# Allegro board PROC048A_BRD.brd
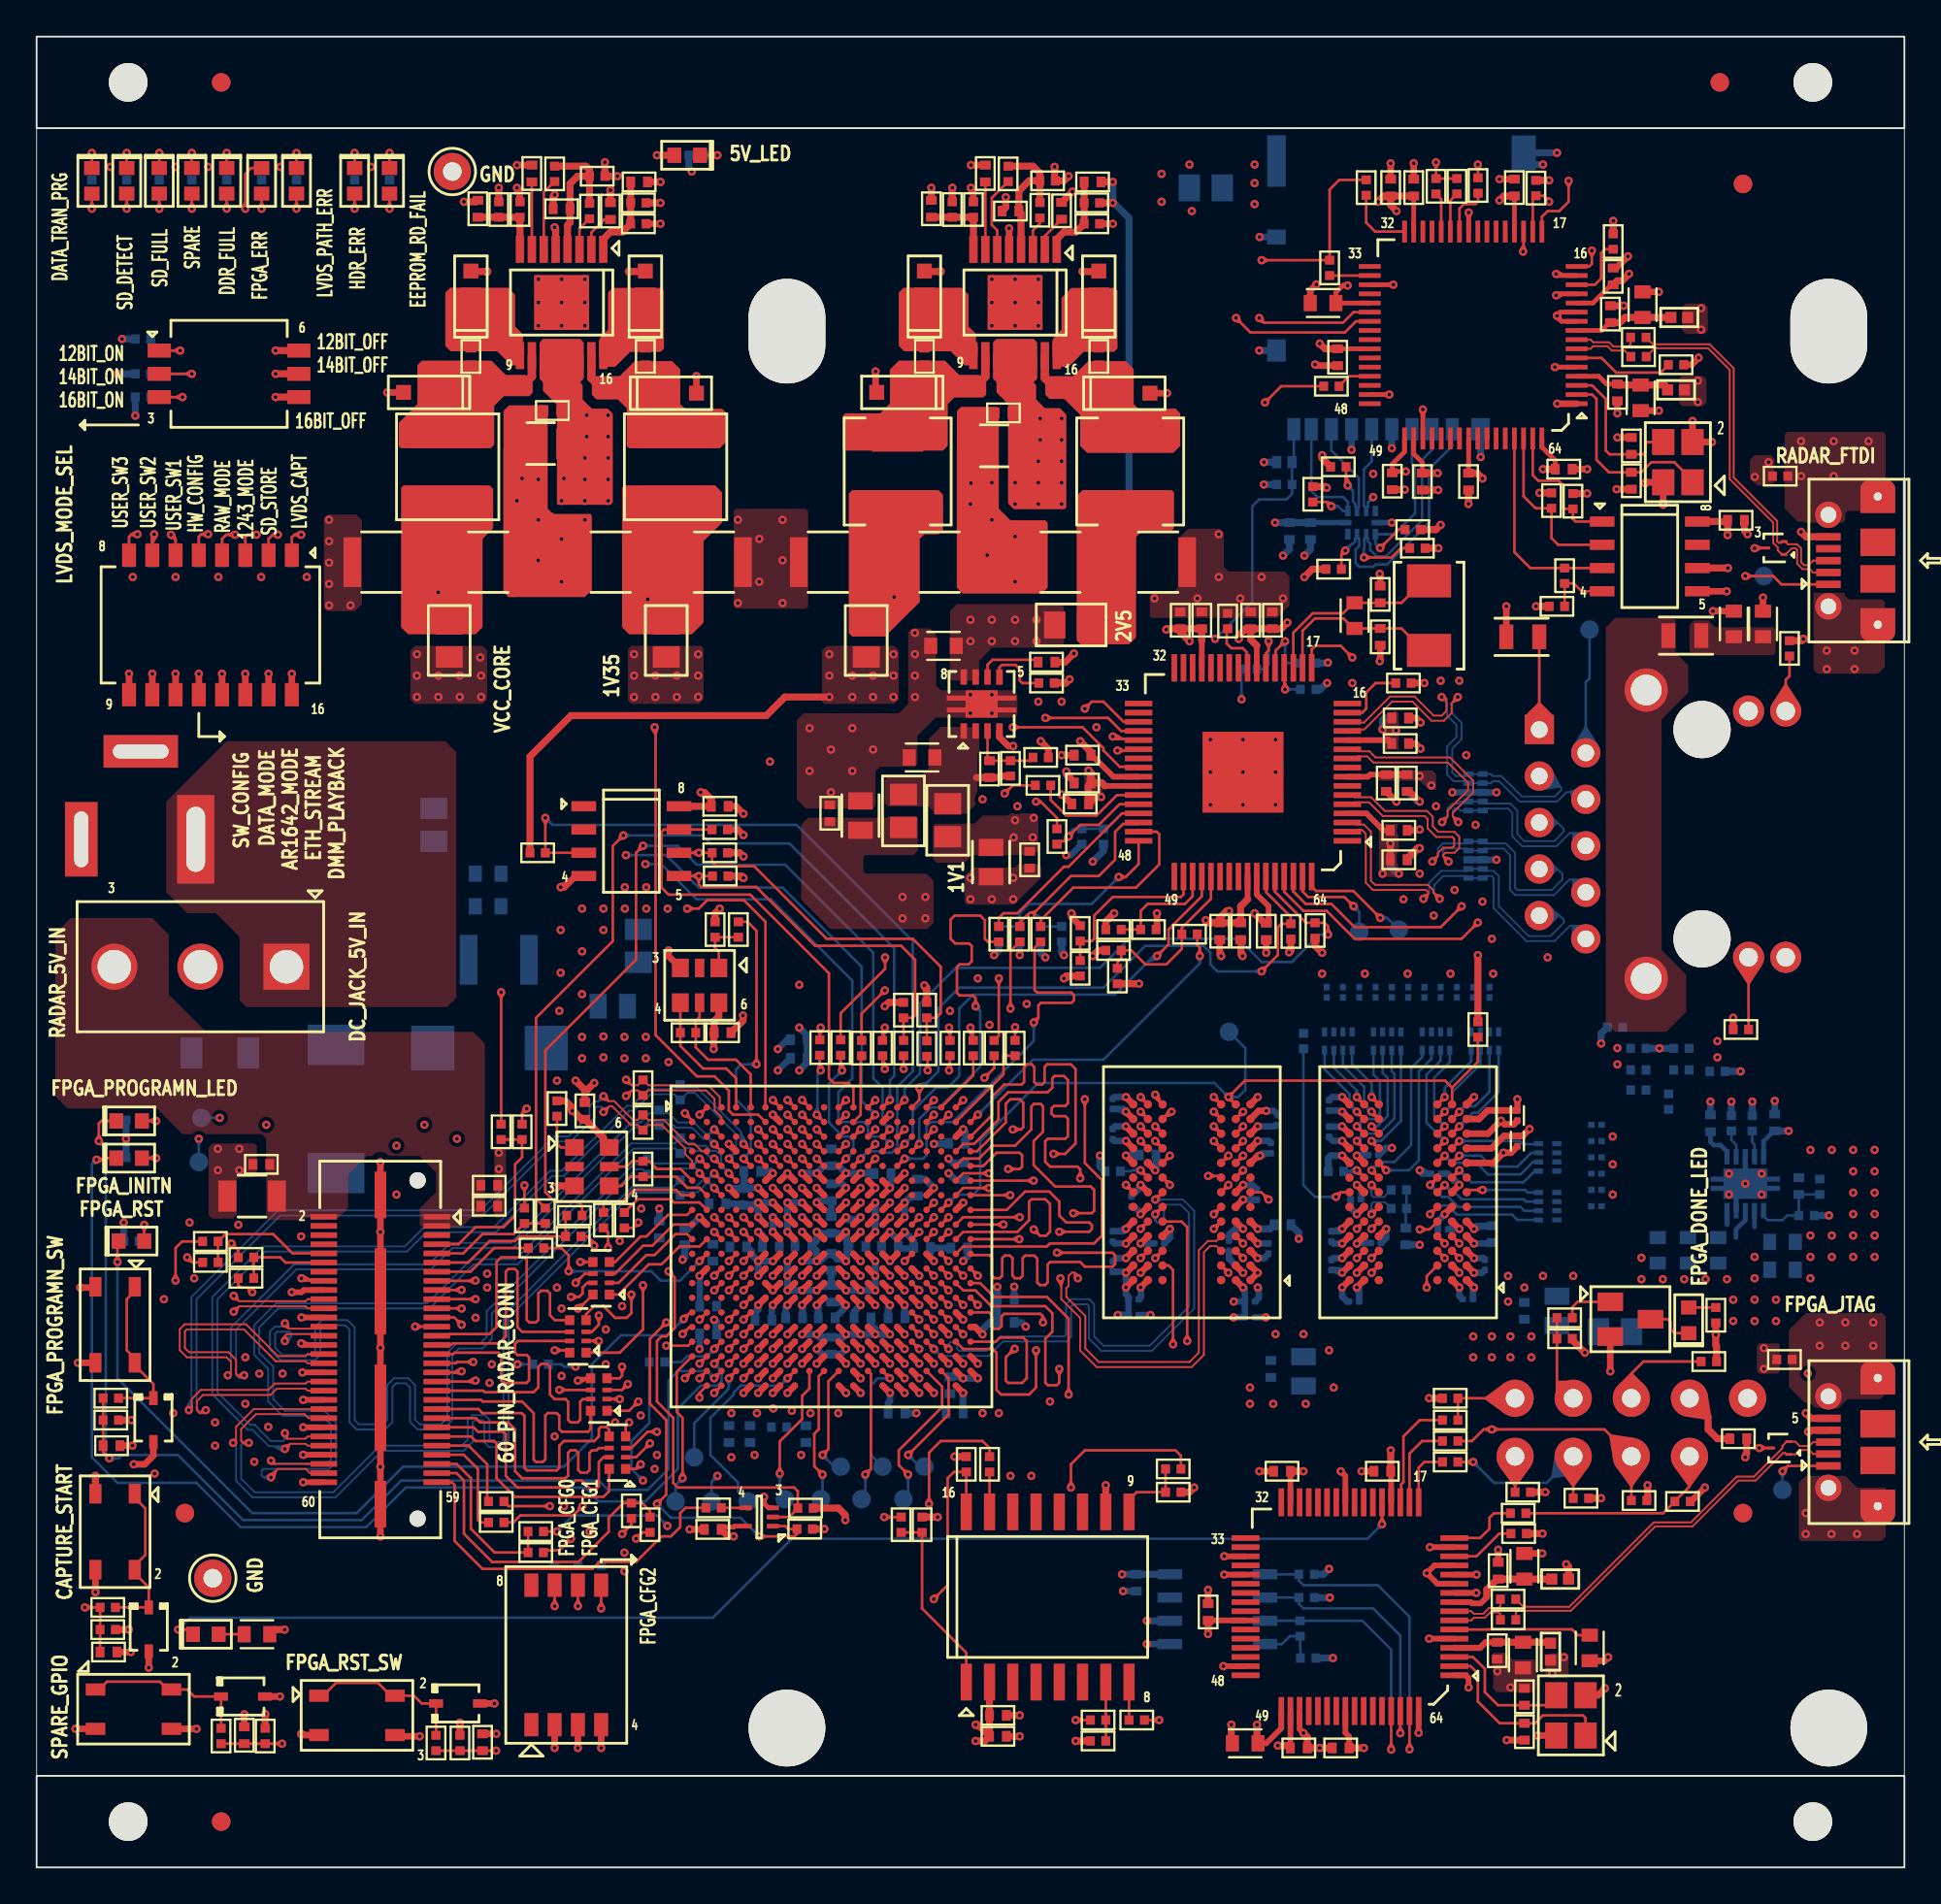
[diagram p0: board, top side]
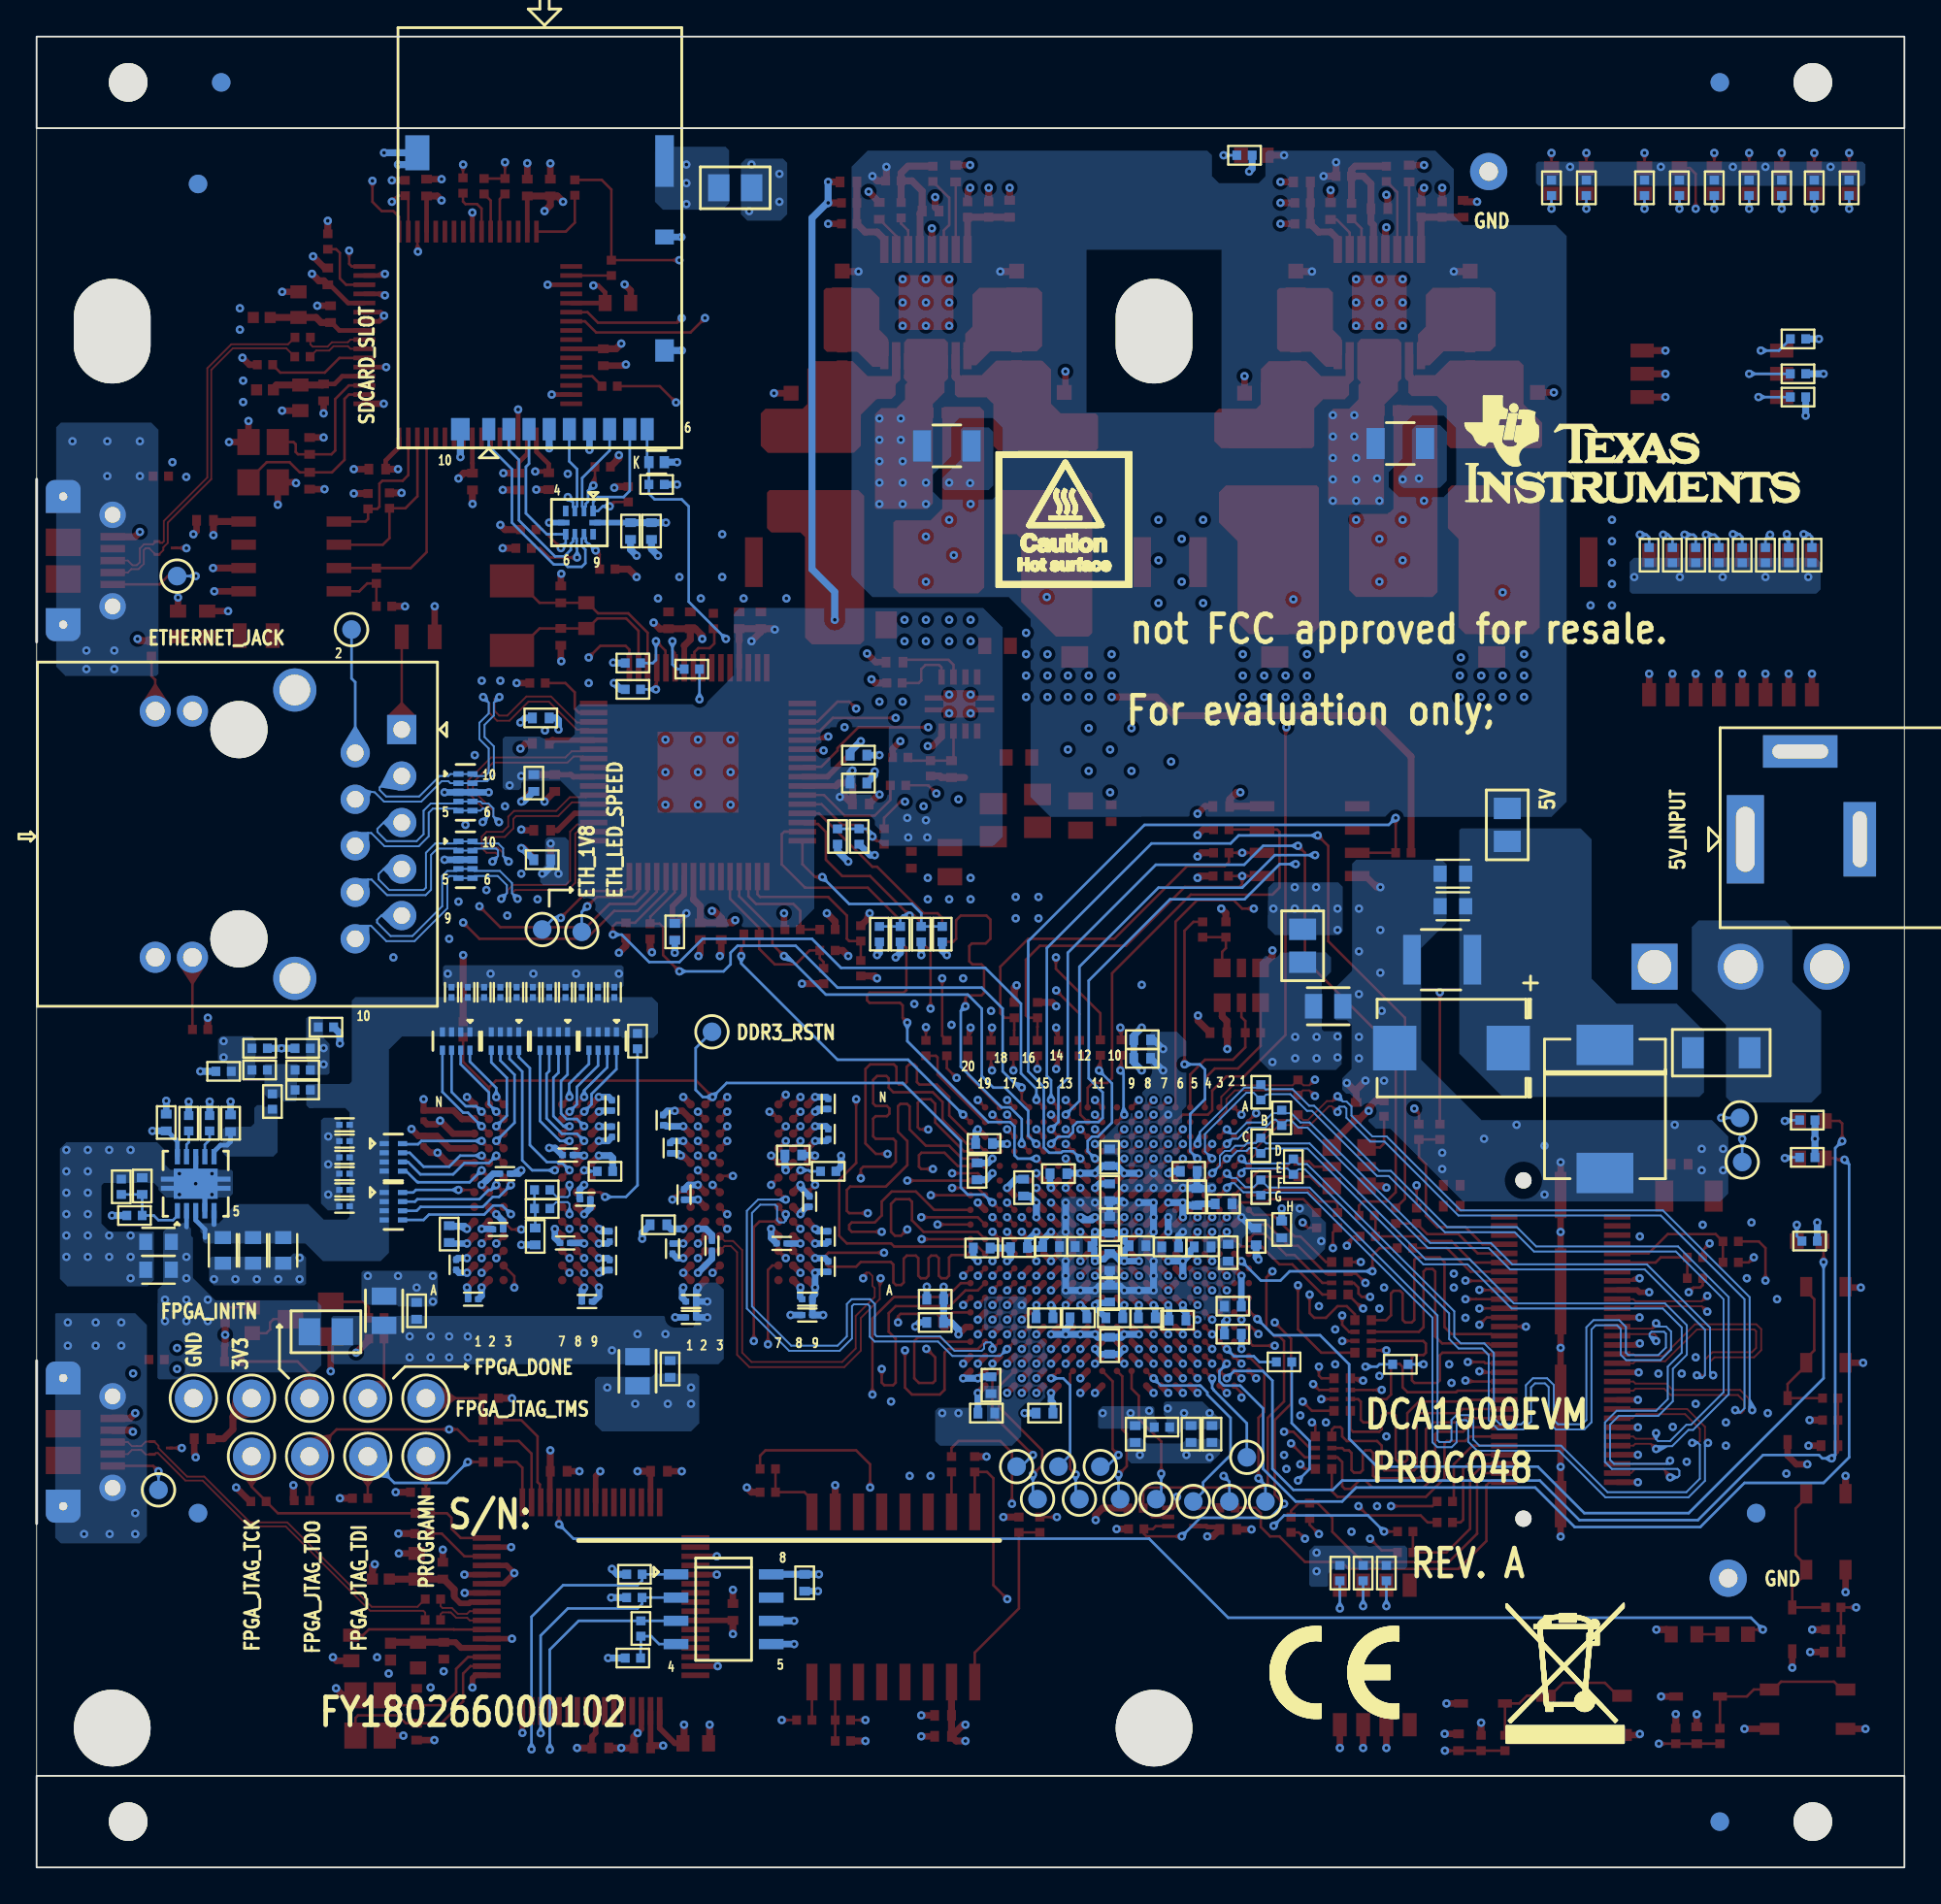
[diagram p1: board, bottom side, seen from below]

Outline 102 x 100 mm; copper layers: TOP, L02_GND1, L03_SIG1, L04_GND2, L05_PWR1, L06_PWR2, L07_GND3, L08_SIG2, L09_GND4, BOTTOM. Coordinates in mm from the lower left corner of the outline.
Outline path: rectangle 0,95 102,100 ; rectangle 0,0 102,5 ; 0,95 0,5 102,5 102,95 0,95

## Design rules (mm)
net group C_RGMII_RXC: nets C_RGMII_RXC RGMII_RXC
net group C_RGMII_RXD0: nets C_RGMII_RXD0 RGMII_RXD0
net group C_RGMII_RXD1: nets C_RGMII_RXD1 RGMII_RXD1
net group C_RGMII_RXD2: nets C_RGMII_RXD2 RGMII_RXD2
net group C_RGMII_RXD3: nets C_RGMII_RXD3 RGMII_RXD3
net group CONN_SPI_CLK: nets CONN_SPI_CLK RF_CONN_SPI_SCK
net group CONN_SPI_CSN: nets CONN_SPI_CSN RF_CONN_SPI_CS
net group CONN_SPI_MISO: nets CONN_SPI_MISO RF_CONN_SPI_MISO
net group CONN_SPI_MOSI: nets CONN_SPI_MOSI RF_CONN_SPI_MOSI
net group DMM_CLK: nets DMM_CLK DMM_CLK_C
net group DMM_MUX_CTL: nets DMM_MUX_CTL DMM_MUX_CTL_C
net group DMM_SYNC: nets DMM_SYNC DMM_SYNC_C
net group DP0: nets DP0 DP0_C
net group DP1: nets DP1 DP1_C
net group DP2: nets DP2 DP2_C
net group DP3: nets DP3 DP3_C
net group DP4: nets DP4 DP4_C
net group DP5: nets DP5 DP5_C
net group DP6: nets DP6 DP6_C
net group DP7: nets DP7 DP7_C
net group DP8: nets DP8 DP8_C
net group DP9: nets DP9 DP9_C
net group DP10: nets DP10 DP10_C
net group DP11: nets DP11 DP11_C
net group DP12: nets DP12 DP12_C
net group DP13: nets DP13 DP13_C
net group DP14: nets DP14 DP14_C
net group DP15: nets DP15 DP15_C
net group FTDI_USB1_DM_C: nets FTDI_USB1_DM FTDI_USB1_DM_C
net group FTDI_USB1_DP_C: nets FTDI_USB1_DP FTDI_USB1_DP_C
net group FTDI_USB2_DM: nets FTDI_USB2_DM FTDI_USB2_DM_C
net group FTDI_USB2_DP: nets FTDI_USB2_DP FTDI_USB2_DP_C
net group RGMII_TXC: nets N15802227 RGMII_TXC
net group RGMII_TXD0: nets N15802042 RGMII_TXD0
net group RGMII_TXD1: nets N15802046 RGMII_TXD1
net group RGMII_TXD2: nets N15802050 RGMII_TXD2
net group RGMII_TXD3: nets N15802054 RGMII_TXD3
net group SD_CLK: nets N15837897 SD_CLK
net group DDR_DATA0: nets DDR3_DM0 DDR3_DQ0 DDR3_DQ1 DDR3_DQ2 DDR3_DQ3 DDR3_DQ4 DDR3_DQ5 DDR3_DQ6 DDR3_DQ7 DDR3_DQS0 DDR3_DQS0N
net group DDR_DATA1: nets DDR3_DM1 DDR3_DQ8 DDR3_DQ9 DDR3_DQ10 DDR3_DQ11 DDR3_DQ12 DDR3_DQ13 DDR3_DQ14 DDR3_DQ15 DDR3_DQS1 DDR3_DQS1N
net group DIFFPAIR4: nets LVDS_CLKM

## Placement (name value [footprint] x y rotation side)
C1  12000pF  [CAP0402]  27.05 92.52 90 top
C2  0.22uF  [CAP0402]  28.67 90.6 180 top
C3  12000pF  [CAP0402]  51.81 92.52 90 top
C4  0.22uF  [CAP0402]  53.18 90.47 180 top
C5  0.027uF  [CAP0402]  32.9 92.06 180 top
C6  0.027uF  [CAP0402]  57.67 92.06 180 top
C7  1uF  [CAP0402_0-75]  73.95 91.75 90 top
C8  0.1uF  [CAP0402_0-75]  75.2 91.75 90 top
C9  0.1uF  [CAP0402_0-75]  80.7 91.75 90 top
C10  0.027uF  [CAP0402]  24.1 90.6 270 top
C11  0.027uF  [CAP0402]  48.86 90.6 270 top
C12  12000pF  [CAP0402]  31.34 90.47 90 top
C13  12000pF  [CAP0402]  55.97 90.48 90 top
C14  0.1uF  [CAP0402_0-75]  86.1 86.9 90 top
C15  4.7uF  [CAP0603_1]  70.25 85.45 180 top
C16  4.7uF  [CAP0603_1]  87.7 85.36 90 top
C17  0.1uF  [CAP0402_0-75]  85.95 84.84 90 top
C18  0.1uF  [CAP0402_0-75]  23.72 82.53 270 top
C19  0.1uF  [CAP0402_0-75]  33.24 82.53 270 top
C20  0.1uF  [CAP0402_0-75]  48.48 82.53 270 top
C21  0.1uF  [CAP0402_0-75]  58.01 82.53 270 top
C22  0.1uF  [CAP0402_0-75]  71.05 82.49 270 top
C23  0.1uF  [CAP0402_0-75]  86.33 80.56 270 top
C24  4.7uF  [CAP0603_1]  87.6 80.27 270 top
C25  0.1uF  [CAP0402_0-75]  28.16 79.57 0 top
C26  0.1uF  [CAP0402_0-75]  52.8 79.45 0 top
C27  10uF  [CAP1206]  27.53 77.77 180 top
C28  10uF  [CAP1206]  52.29 77.64 180 top
C29  8pF  [CAP0402]  87.09 77.64 90 top
C30  0.1uF  [CAP0402_0-75]  83.4 76.37 0 top
C31  8pF  [CAP0402]  87.09 75.74 270 top
C32  0.1uF  [CAP0402_0-75]  74.03 75.72 270 top
C33  0.1uF  [CAP0402_0-75]  75.67 75.7 270 top
C34  0.1uF  [CAP0402_0-75]  78.2 75.7 270 top
C35  0.1uF  [CAP0402_0-75]  92.8 73.58 0 top
C36  47uF  [CAP1210]  18.89 71.29 180 top
C37  47uF  [CAP1210]  24.61 71.29 0 top
C38  47uF  [CAP1210]  31.41 71.29 180 top
C39  47uF  [CAP1210]  36.92 71.29 0 top
C40  47uF  [CAP1210]  43.27 71.29 180 top
C41  47uF  [CAP1210]  49.24 71.29 0 top
C42  47uF  [CAP1210]  55.97 71.29 180 top
C43  47uF  [CAP1210]  61.18 71.29 0 top
C44  27pF  [CAP0402]  73.37 69.53 90 top
C45  1000pF  [CAP0402_0-75]  62.45 68.12 90 top
C46  1000pF  [CAP0402_0-75]  63.63 68.12 90 top
C47  10000pF  [CAP0402]  66.3 68.12 90 top
C48  10uF  [CAP0402_0-75]  67.49 68.12 90 top
C49  0.1uF  [CAP0603_1]  92.69 67.92 270 top
C50  0.1uF  [CAP0603_1]  94.28 67.92 270 top
C51  27pF  [CAP0402]  73.37 67.21 270 top
C52  10uF  [CAP0603_1]  49.52 66.72 180 top
C53  0.47uF  [CAP0402]  55.15 65.83 0 top
C54  0.1uF  [CAP0402_0-75]  74.47 62.78 0 top
C55  10000pF  [CAP0402]  74.47 61.39 0 top
C56  0.1uF  [CAP0402_0-75]  57.12 60.75 180 top
C57  10uF  [CAP0603_1]  48.35 60.63 180 top
C58  0.47uF  [CAP0402]  52.04 59.99 90 top
C59  10000pF  [CAP0402]  73.7 59.23 270 top
C60  0.1uF  [CAP0402_0-75]  74.85 59.23 270 top
C61  1000pF  [CAP0402_0-75]  57.12 59.23 180 top
C62  0.1uF  [CAP0402_0-75]  37.31 57.96 0 top
C63  1uF  [CAP0402_0-75]  43.32 57.58 90 top
C64  22uF  [CAP0805_1-5]  44.99 57.45 90 top
C65  0.1uF  [CAP0402_0-75]  74.39 56.65 0 top
C66  1uF  [CAP0402_0-75]  54.23 55.04 270 top
C67  1uF  [CAP0402_0-75]  74.39 55.04 0 top
C68  22uF  [CAP0805_1-5]  52.12 54.91 270 top
C69  1uF  [CAP0402_0-75]  64.61 51.14 270 top
C70  0.1uF  [CAP0402_0-75]  65.75 51.14 270 top
C71  1000pF  [CAP0402_0-75]  67.15 51.14 270 top
C72  0.01uF  [CAP0402_0-75]  37.46 45.59 0 top
C73  0.01uF  [CAP0402_0-75]  29.94 41.32 90 top
C74  0.1uF  [CAP0201]  80.87 41.07 90 top
C75  0.1uF  [CAP0201]  80.87 39.67 90 top
C76  1uF  [CAP0402_0-75]  12.27 38.4 180 top
C77  0.01uF  [CAP0402_0-75]  24.72 37.26 0 top
C78  10uF  [CAP1206]  11.76 36.66 180 top
C79  0.1uF  [CAP0402_0-75]  24.72 36.11 180 top
C80  0.1uF  [CAP0402_0-75]  92.93 23.41 180 top
C81  0.1uF  [CAP0402_0-75]  4.09 23.03 180 top
C82  0.1uF  [CAP0402_0-75]  68.01 21.64 180 top
C83  0.1uF  [CAP0402_0-75]  73.49 21.64 180 top
C84  0.1uF  [CAP0402_0-75]  36.92 18.46 0 top
C85  4.7uF  [CAP0603_1]  81.25 16.45 90 top
C86  0.1uF  [CAP0402_0-75]  79.82 16.21 90 top
C87  0.1uF  [CAP0402_0-75]  63.98 13.95 90 top
C88  0.1uF  [CAP0402_0-75]  79.76 11.84 270 top
C89  0.1uF  [CAP0402_0-75]  3.93 11.76 180 top
C90  4.7uF  [CAP0603_1]  81.17 11.6 270 top
C91  8pF  [CAP0402]  81.25 9.32 90 top
C92  10000pF  [CAP0402]  52.5 8.3 0 top
C93  8pF  [CAP0402]  81.25 7.41 270 top
C94  0.1uF  [CAP0402_0-75]  52.5 7.16 0 top
C95  0.1uF  [CAP0402_0-75]  11.34 7.22 270 top
C96  0.1uF  [CAP0402_0-75]  24.35 6.84 270 top
C97  3.3uF  [CAP0603_1]  66 6.78 180 top
C98  0.1uF  [CAP0402_0-75]  68.93 6.52 0 top
C99  10uF  [CAP1206]  27.53 77.77 180 bottom
C100  10uF  [CAP1206]  52.29 77.64 180 bottom
C101  0.1uF  [CAP0402_0-75]  69.56 72.99 270 bottom
C102  4.7uF  [CAP0402_0-75]  68.42 72.99 270 bottom
C103  1uF  [CAP0402_0-75]  74.47 62.78 0 bottom
C104  1uF  [CAP0402_0-75]  57.12 60.75 180 bottom
C105  0.1uF  [CAP0402_0-75]  74.85 59.23 270 bottom
C106  0.1uF  [CAP0402_0-75]  56.99 58.09 180 top
C107  0.1uF  [CAP0402_0-75]  57.12 59.23 180 bottom
C108  10uF  [CAP0402_0-75]  74.39 55.04 0 bottom
C109  10uF  [CAP0603_1]  24.66 54.28 0 bottom
C110  10uF  [CAP0603_1]  24.66 52.5 0 bottom
C111  10uF  [CAP0402_0-75]  67.15 51.1 270 bottom
C112  100uF  [CAP1210]  25.24 49.58 0 bottom
C113  0.01uF  [CAP0201_0-5]  79.34 47.8 90 bottom
C114  0.01uF  [CAP0201_0-5]  78.45 47.8 90 bottom
C115  0.01uF  [CAP0201_0-5]  77.56 47.8 90 bottom
C116  0.1uF  [CAP0201]  76.68 47.8 270 bottom
C117  0.01uF  [CAP0201_0-5]  75.79 47.8 90 bottom
C118  0.1uF  [CAP0201]  74.9 47.8 270 bottom
C119  0.1uF  [CAP0201]  74.01 47.8 270 bottom
C120  0.1uF  [CAP0201]  73.12 47.8 270 bottom
C121  0.01uF  [CAP0201_0-5]  72.23 47.8 90 bottom
C122  0.1uF  [CAP0201]  71.34 47.8 270 bottom
C123  0.01uF  [CAP0201_0-5]  70.45 47.8 90 bottom
C124  22uF  [CAP0805_1-5]  31.46 47.04 180 bottom
C125  0.1uF  [CAP0402_0-75]  41.62 45.21 0 bottom
C126  47uF  [CAPT7343D_3-25]  24.73 44.75 0 bottom
C127  0.1uF  [CAP0402_0-75]  41.62 44.19 0 bottom
C128  0.1uF  [CAP0201]  58.77 41.7 270 bottom
C129  0.01uF  [CAP0201_0-5]  70.58 41.62 90 bottom
C130  0.01uF  [CAP0201_0-5]  67.79 40.81 270 bottom
C131  4.7uF  [CAP0402_0-75]  94.92 40.69 90 bottom
C132  0.1uF  [CAP0402_0-75]  91.41 40.65 270 bottom
C133  0.1uF  [CAP0201]  85.18 40.56 180 bottom
C134  0.1uF  [CAP0201]  70.58 40.18 270 bottom
C135  0.01uF  [CAP0201_0-5]  58.77 40.05 90 bottom
C136  0.01uF  [CAP0201_0-5]  85.18 39.67 0 bottom
C137  0.1uF  [CAP0402_0-75]  50.26 39.54 180 bottom
C138  0.1uF  [CAP0201]  67.4 39.29 90 bottom
C139  0.01uF  [CAP0201_0-5]  72.99 38.91 0 bottom
C140  0.1uF  [CAP0402_0-75]  60.67 38.91 0 bottom
C141  0.01uF  [CAP0201_0-5]  85.18 38.78 0 bottom
C142  0.1uF  [CAP0402_0-75]  43.4 38.78 270 bottom
C143  0.1uF  [CAP0402_0-75]  50.64 38.02 270 bottom
C144  0.01uF  [CAP0402_0-75]  39.08 38.02 180 bottom
C145  0.1uF  [CAP0201]  85.18 37.89 180 bottom
C146  0.1uF  [CAP0201]  76.42 37.89 0 bottom
C147  0.01uF  [CAP0402_0-75]  46.2 37.89 0 bottom
C148  0.1uF  [CAP0402_0-75]  96.23 37.22 270 bottom
C149  0.1uF  [CAP0402_0-75]  48.1 37.13 270 bottom
C150  0.1uF  [CAP0201]  85.18 37 180 bottom
C151  0.1uF  [CAP0402_0-75]  43.4 36.88 270 bottom
C152  0.01uF  [CAP0201_0-5]  66.64 36.75 270 bottom
C153  0.1uF  [CAP0402_0-75]  38.64 36.62 270 bottom
C154  0.01uF  [CAP0201_0-5]  72.04 36.5 180 bottom
C155  0.01uF  [CAP0201_0-5]  59.78 36.37 270 bottom
C156  0.01uF  [CAP0402_0-75]  37.18 36.24 180 bottom
C157  0.01uF  [CAP0201_0-5]  85.18 36.11 0 bottom
C158  0.1uF  [CAP0402_0-75]  34 34.84 90 bottom
C159  0.01uF  [CAP0402_0-75]  68.04 35.1 0 bottom
C160  0.01uF  [CAP0402_0-75]  43.4 35.1 270 bottom
C161  0.1uF  [CAP0201]  76.8 34.84 0 bottom
C162  0.1uF  [CAP0402_0-75]  79.47 34.59 90 bottom
C163  0.01uF  [CAP0402_0-75]  74.77 34.46 270 bottom
C164  0.1uF  [CAP0201]  70.71 34.46 90 bottom
C165  0.01uF  [CAP0201_0-5]  58.77 34.46 270 bottom
C166  0.1uF  [CAP0402_0-75]  35.4 34.46 270 bottom
C167  10uF  [CAP0603_1]  95.34 34.17 0 bottom
C168  0.1uF  [CAP0201]  73.14 34.11 0 bottom
C169  0.1uF  [CAP0201]  61.31 34.08 0 bottom
C170  0.1uF  [CAP0201]  65.12 33.96 90 bottom
C171  0.1uF  [CAP0402_0-75]  41.88 33.96 180 bottom
C172  0.01uF  [CAP0402_0-75]  46.6 33.91 0 bottom
C173  0.1uF  [CAP0402_0-75]  44.83 33.91 0 bottom
C174  0.01uF  [CAP0402_0-75]  40.1 33.89 180 bottom
C175  0.01uF  [CAP0402_0-75]  38.32 33.89 180 bottom
C176  0.1uF  [CAP0402_0-75]  48.35 33.85 0 bottom
C177  0.01uF  [CAP0402_0-75]  50.39 33.83 0 bottom
C178  0.01uF  [CAP0201_0-5]  67.27 33.8 90 bottom
C179  10uF  [CAP0603_1]  91.83 33.7 270 bottom
C180  10uF  [CAP0603_1]  90.18 33.7 270 bottom
C181  10uF  [CAP0603_1]  88.53 33.7 270 bottom
C182  0.01uF  [CAP0402_0-75]  36.92 33.57 90 bottom
C183  0.01uF  [CAP0402_0-75]  43.4 33.07 90 bottom
C184  0.1uF  [CAP0201]  79.09 32.91 90 bottom
C185  0.1uF  [CAP0201]  70.71 32.9 270 bottom
C186  0.01uF  [CAP0201_0-5]  58.77 32.81 90 bottom
C187  10uF  [CAP0603_1]  95.34 32.64 0 bottom
C188  0.1uF  [CAP0402_0-75]  43.4 31.34 90 bottom
C189  0.01uF  [CAP0201_0-5]  78.16 31.03 0 bottom
C190  0.01uF  [CAP0201_0-5]  59.91 31.03 0 bottom
C191  0.1uF  [CAP0402_0-75]  52.93 31.03 180 bottom
C192  0.1uF  [CAP0201]  71.94 30.91 180 bottom
C193  0.01uF  [CAP0201_0-5]  66.26 30.91 0 bottom
C194  0.1uF  [CAP0402_0-75]  36.67 30.65 0 bottom
C195  22uF  [CAP0805_1-5]  83.03 30.4 90 bottom
C196  1uF  [CAP0402_0-75]  81.25 30.4 90 bottom
C197  0.01uF  [CAP0201_0-5]  59.91 30.17 0 bottom
C198  0.01uF  [CAP0201_0-5]  66.26 30.04 0 bottom
C199  1nF  [CAP0402_0-75]  46.96 30.02 180 bottom
C200  0.1uF  [CAP0402_0-75]  45.1 30.02 0 bottom
C201  0.01uF  [CAP0402_0-75]  43.15 30.02 0 bottom
C202  0.1uF  [CAP0402_0-75]  41.37 30.02 0 bottom
C203  1uF  [CAP0402_0-75]  39.69 29.89 0 bottom
C204  0.01uF  [CAP0402_0-75]  52.93 29.76 0 bottom
C205  0.01uF  [CAP0402_0-75]  36.67 29.13 180 bottom
C206  0.1uF  [CAP0402_0-75]  43.4 28.49 90 bottom
C207  1uF  [CAP0402_0-75]  67.4 27.22 270 bottom
C208  22uF  [CAP0805_1-5]  69.18 27.1 270 bottom
C209  0.1uF  [CAP0402_0-75]  46.96 24.81 0 bottom
C210  0.1uF  [CAP0402_0-75]  42 23.67 90 bottom
C211  0.1uF  [CAP0402_0-75]  38.96 23.67 90 bottom
C212  0.1uF  [CAP0402_0-75]  37.81 23.67 90 bottom
C213  0.01uF  [CAP0402_0-75]  49.88 26.34 90 bottom
C214  0.1uF  [CAP0402_0-75]  50.13 24.81 180 bottom
C215  0.1uF  [CAP0402_0-75]  60.06 15.55 270 bottom
C216  0.1uF  [CAP0402_0-75]  71.21 6.52 180 top
D1  PD3S230HQ-7  [DIO_POWERDI-323_0-7]  23.72 86.24 180 top
D2  PD3S230HQ-7  [DIO_POWERDI-323_0-7]  33.24 86.24 180 top
D3  PD3S230HQ-7  [DIO_POWERDI-323_0-7]  48.48 86.24 180 top
D4  PD3S230HQ-7  [DIO_POWERDI-323_0-7]  58.01 86.24 180 top
D5  PD3S230HQ-7  [DIO_POWERDI-323_0-7]  20.99 80.56 270 top
D6  PD3S230HQ-7  [DIO_POWERDI-323_0-7]  46.83 80.56 270 top
D7  PD3S230HQ-7  [DIO_POWERDI-323_0-7]  35.08 80.52 90 top
D8  PD3S230HQ-7  [DIO_POWERDI-323_0-7]  59.85 80.52 90 top
D9  TPD2EUSB30DRTR  [SOT-3]  94.95 72.07 180 top
D10  SD05C-01FTG  [DIO_SOD323]  6.38 24.43 270 top
D11  TPD2EUSB30DRTR  [SOT-3]  95.22 22.91 180 top
D12  SD05C-01FTG  [DIO_SOD323]  6.12 13 270 top
D13  SD05C-01FTG  [DIO_SOD323]  11.27 9.34 0 top
D14  SD05C-01FTG  [DIO_SOD323]  23.01 8.95 0 top
D15  TPD1E10B06DPY  [DIO_DFN0402]  68.14 76.75 180 bottom
D16  SMCJ64CA  [DIO_SMC]  16.35 41.43 270 bottom
F1  5A  [FUSE_1206]  10 44.5 0 bottom
FB1  60E  [IND0402]  89.71 84.66 180 top
FB2  60E  [IND0402]  89.53 80.7 180 top
FB3  60E  [IND0402]  83.2 15.75 180 top
FB4  60E  [IND0402]  82.67 11.79 90 top
FL1  30E  [EMIFIL_BLM21P_0805_1-1]  56.5 67.86 180 top
FL2  30E  [EMIFIL_BLM21P_0805_1-1]  22.53 67.02 270 top
FL3  30E  [EMIFIL_BLM21P_0805_1-1]  34.38 67.02 270 top
FL4  30E  [EMIFIL_BLM21P_0805_1-1]  45.31 67.02 270 top
FL5  30E  [EMIFIL_BLM21P_0805_1-1]  47.34 57.7 270 top
FL6  30E  [EMIFIL_BLM21P_0805_1-1]  49.75 57.2 270 top
FL7  30E  [EMIFIL_BLM21P_0805_1-1]  63.85 91.74 0 bottom
FL8  30E  [EMIFIL_BLM21P_0805_1-1]  21.68 56.94 90 bottom
FL9  30E  [EMIFIL_BLM21P_0805_1-1]  32.86 50.34 90 bottom
FL10  30E  [EMIFIL_BLM21P_0805_1-1]  86.2 29.26 180 bottom
J1  CON_USB-B_5_F  [CON_USBB5_105017-01_S_R_S_2-6]  100.03 71.38 90 top
J2  RAPC722  [CON_PWRJACK3_RAPC722_P_R_T]  8.66 56.15 90 bottom
J3  CON_PMC_2X30_M  [CON_PMC2X30_QTH-30_P_S_S_4-3]  18.76 28.29 270 top
J4  CON_USB-B_5_F  [CON_USBB5_105017-01_S_R_S_2-6]  100.03 23.23 90 top
J5  DM3AT-SF-PEJM5  [CON_SD8_DM3AT-SF_S_R_S_1-7]  74.01 85.88 0 bottom
J6  CON_RJ45-14_LPJG16414A4NL  [CON_RJ45-14_LPJG16414A4NL_S_R_T_13-5]  82.06 62.15 270 bottom
L1  4.7uH  [IND_NRS5020_200X200_SMD_3-1]  22.45 76.5 180 top
L2  4.7uH  [IND_NRS5020_200X200_SMD_3-1]  34.89 76.5 180 top
L3  10uH  [IND_IHLP2020CZ_230X215_SMD]  47.02 76.25 270 top
L4  10uH  [IND_IHLP2020CZ_230X215_SMD]  59.72 76.25 270 top
LD1  LTST-C190KGKT  [LED_0603_0-8]  3.02 92.12 270 top
LD2  LTST-C190KGKT  [LED_0603_0-8]  4.92 92.12 270 top
LD3  LTST-C190KRKT  [LED_0603]  6.7 92.12 270 top
LD4  LTST-C190KGKT  [LED_0603_0-8]  8.48 92.12 270 top
LD5  LTST-C190KRKT  [LED_0603]  12.29 92.12 270 top
LD6  LTST-C190KRKT  [LED_0603]  10.38 92.12 270 top
LD7  LTST-C190KRKT  [LED_0603]  14.19 92.12 270 top
LD8  LTST-C190KRKT  [LED_0603]  17.37 92.12 270 top
LD9  LTST-C190KRKT  [LED_0603]  19.27 92.12 270 top
LD10  LTST-C190KGKT  [LED_0603_0-8]  35.53 93.52 180 top
LD11  LTST-C190KRKT  [LED_0603]  5.05 40.77 0 top
LD12  LTST-C190KRKT  [LED_0603]  5.05 38.74 0 top
LD13  LTST-C190KRKT  [LED_0603]  5.17 34.21 0 top
LD14  LTST-C190KGKT  [LED_0603_0-8]  90.22 29.88 90 top
LD15  LTST-C191KGKT  [LED_0603]  9.24 12.73 0 top